# Allegro board 8880F5-0823_RXTX.brd

Outline 581.66 x 429.26 mm; copper layers: TOP, L02_DGND, L03_SIGNAL, L04_DGND, L05_SIGNAL, L06_DGND, L07_SIGNAL, L08_DGND, L09_SIGNAL, L10_DGND, L11_POWER, L12_DGND, L13_POWER, L14_DGND, L15_POWER, L16_DGND, L17_5V, L18_CBIT, L19_DGND, L20_POWER, L21_DGND, L22_POWER, L23_DGND, L24_POWER, L25_DGND, L26_SIGNAL, L27_DGND, L28_SIGNAL, L29_DGND, L30_SIGNAL, L31_DGND, L32_SIGNAL, L33_DGND, BOTTOM. Coordinates in mm from the lower left corner of the outline.

## Placement (name value [footprint] x y rotation side)
BD29  BD120-3A-S8  [FB0805]  129.54 134.62 180 bottom
BD30  BD120-3A-S8  [FB0805]  129.54 146.05 180 bottom
BD31  BD120-3A-S8  [FB0805]  129.54 142.24 0 bottom
BD32  BD120-3A-S8  [FB0805]  513.08 238.76 180 bottom
BD33  BD120-3A-S8  [FB0805]  513.08 242.57 180 bottom
BD34  BD120-3A-S8  [FB0805]  453.64 145.54 0 bottom
BD35  BD120-3A-S8  [FB0805]  453.64 137.92 180 bottom
BD36  BD120-3A-S8  [FB0805]  129.54 138.43 180 bottom
BD37  BD120-3A-S8  [FB0805]  453.64 130.3 180 bottom
BD38  BD120-3A-S8  [FB0805]  513.08 242.57 180 bottom
BD39  BD120-3A-S8  [FB0805]  453.64 141.73 0 bottom
BD40  BD120-3A-S8  [FB0805]  453.64 134.11 180 bottom
BD41  BD120-3A-S8  [FB0805]  513.08 234.95 180 bottom
BD42  BD120-3A-S8  [FB0805]  513.08 231.14 180 bottom
BD43  BD120-3A-S8  [FB0805]  513.08 227.33 180 bottom
BD44  BD120-3A-S8  [FB0805]  129.54 149.86 180 bottom
BR902  330-1-S4  [R0402]  36.83 133.35 270 bottom
C3  0.1U-16-X-S4-MU  [C0402]  184.15 132.33 180 bottom
C4  0.1U-16-X-S4-MU  [C0402]  181.61 132.33 180 bottom
C5  22P-50-N-S4-AVX  [C0402]  221.21 277.48 90 bottom
C6  22P-50-N-S4-AVX  [C0402]  221.21 271.16 270 bottom
C7  0.1U-16-X-S4-MU  [C0402]  110.74 230.12 0 bottom
C8  0.1U-16-X-S4-MU  [C0402]  104.14 215.5 180 bottom
C9  0.1U-16-X-S4-MU  [C0402]  104.24 229.1 180 bottom
CA1  NC/10U-10-X6S-S6-MU  [C0603]  186.05 292.1 0 bottom
CA2  NC/47U-10-X5R-S8-TDK  [C0805]  186.16 294 0 bottom
CA3  NC/10U-10-X6S-S6-MU  [C0603]  174.62 292.1 180 bottom
CA4  NC/47U-10-X5R-S8-TDK  [C0805]  174.52 294 180 bottom
CA5  NC/10U-10-X6S-S6-MU  [C0603]  117.47 290.83 180 bottom
CA6  NC/47U-10-X5R-S8-TDK  [C0805]  117.37 292.74 180 bottom
CA7  NC/10U-10-X6S-S6-MU  [C0603]  169.54 292.1 0 bottom
CA8  NC/47U-10-X5R-S8-TDK  [C0805]  169.65 294 0 bottom
CA9  NC/10U-10-X6S-S6-MU  [C0603]  158.11 292.1 180 bottom
CA10  NC/47U-10-X5R-S8-TDK  [C0805]  158.01 294 180 bottom
CA11  NC/10U-10-X6S-S6-MU  [C0603]  186.05 275.59 0 bottom
CA12  NC/47U-10-X5R-S8-TDK  [C0805]  186.16 277.5 0 bottom
CA13  NC/47U-10-X5R-S8-TDK  [C0805]  202.16 294 0 bottom
CA14  NC/10U-10-X6S-S6-MU  [C0603]  202.06 292.1 0 bottom
CA15  NC/47U-10-X5R-S8-TDK  [C0805]  190.53 294 180 bottom
CA16  NC/10U-10-X6S-S6-MU  [C0603]  190.63 292.1 180 bottom
CA17  NC/47U-10-X5R-S8-TDK  [C0805]  169.65 277.5 0 bottom
CA18  NC/10U-10-X6S-S6-MU  [C0603]  169.54 275.59 0 bottom
CA19  NC/47U-10-X5R-S8-TDK  [C0805]  100.34 249.52 180 bottom
CA20  NC/10U-10-X6S-S6-MU  [C0603]  100.44 247.61 180 bottom
CA21  10U-10-X6S-S6-MU  [C0603]  186.05 289.56 0 bottom
CA22  10U-10-X6S-S6-MU  [C0603]  174.62 289.56 180 bottom
CA23  10U-10-X6S-S6-MU  [C0603]  117.47 288.29 180 bottom
CA24  10U-10-X6S-S6-MU  [C0603]  169.54 289.56 0 bottom
CA25  10U-10-X6S-S6-MU  [C0603]  158.11 289.56 180 bottom
CA26  10U-10-X6S-S6-MU  [C0603]  186.05 273.05 0 bottom
CA27  10U-10-X6S-S6-MU  [C0603]  202.06 289.56 0 bottom
CA28  10U-10-X6S-S6-MU  [C0603]  190.63 289.56 180 bottom
CA29  10U-10-X6S-S6-MU  [C0603]  169.54 273.05 0 bottom
CA30  NC/47U-10-X5R-S8-TDK  [C0805]  95.47 249.57 180 bottom
CA31  10U-10-X6S-S6-MU  [C0603]  95.57 247.66 180 bottom
CA32  NC/10U-10-X6S-S6-MU  [C0603]  202.06 275.59 0 bottom
CA33  NC/47U-10-X5R-S8-TDK  [C0805]  202.16 277.5 0 bottom
CA34  10U-10-X6S-S6-MU  [C0603]  202.06 273.05 0 bottom
CA35  NC/10U-10-X6S-S6-MU  [C0603]  174.62 275.59 180 bottom
CA36  NC/47U-10-X5R-S8-TDK  [C0805]  174.52 277.5 180 bottom
CA37  10U-10-X6S-S6-MU  [C0603]  174.62 273.05 180 bottom
CA38  NC/10U-10-X6S-S6-MU  [C0603]  158.11 275.59 180 bottom
CA39  NC/47U-10-X5R-S8-TDK  [C0805]  158.01 277.5 180 bottom
CA40  10U-10-X6S-S6-MU  [C0603]  158.11 273.05 180 bottom
CB1  0.1U-25-X-S6  [C0603]  116.84 130.81 0 bottom
CB2  10U-16-T-SA  [CODE_A]  116.84 128.27 0 bottom
CB3  0.1U-25-X-S6  [C0603]  472.44 130.81 0 bottom
CB4  10U-16-T-SA  [CODE_A]  472.44 128.27 0 bottom
CB5  0.1U-25-X-S6  [C0603]  556.51 300.99 0 bottom
CB6  10U-16-T-SA  [CODE_A]  556.51 298.45 0 bottom
CB7  0.1U-25-X-S6  [C0603]  223.52 298.45 0 bottom
CB8  10U-16-T-SA  [CODE_A]  223.52 295.91 0 bottom
CB9  0.1U-25-X-S6  [C0603]  23.01 130.71 0 bottom
CB10  10U-25-X7R-SA  [C1206]  22.86 128.27 0 bottom
CB11  0.1U-25-X-S6  [C0603]  484.02 130.71 0 bottom
CB12  10U-25-X7R-SA  [C1206]  483.87 128.27 0 bottom
CB13  0.1U-25-X-S6  [C0603]  547.52 300.89 0 bottom
CB14  10U-25-X7R-SA  [C1206]  547.37 298.45 0 bottom
CB15  0.1U-25-X-S6  [C0603]  12.45 262.13 0 bottom
CB16  10U-25-X7R-SA  [C1206]  12.3 259.69 0 bottom
CB19  0.1U-25-X7R-S4-MU  [C0402]  215.9 17.78 180 bottom
CC1  0.47U-10-X6S-S2-TY  [C0201]  237.98 224.12 90 bottom
CC2  4.7U-10-X6T-S4-MU  [C0402]  236.32 222.4 270 bottom
CC4  0.47U-10-X6S-S2-TY  [C0201]  229.81 247.93 0 bottom
CC6  0.47U-10-X6S-S2-TY  [C0201]  250.17 224.12 90 bottom
CC7  0.47U-10-X6S-S2-TY  [C0201]  229.81 246.66 0 bottom
CC8  0.47U-10-X6S-S2-TY  [C0201]  263.63 224.12 90 bottom
CC9  0.47U-10-X6S-S2-TY  [C0201]  254.61 266.16 270 bottom
CC11  0.47U-10-X6S-S2-TY  [C0201]  251.06 224.12 90 bottom
CC13  0.47U-10-X6S-S2-TY  [C0201]  256.77 224.12 90 bottom
CC15  4.7U-2.5-X6S-S2-MU  [C0201]  259.65 264.95 90 bottom
CC16  NC/4.7U-2.5-X6S-S2-MU  [C0201]  271.64 249.5 0 bottom
CC17  4.7U-2.5-X6S-S2-MU  [C0201]  229.81 253.69 0 bottom
CC19  0.47U-10-X6S-S2-TY  [C0201]  252.83 266.16 270 bottom
CC20  4.7U-10-X6T-S4-MU  [C0402]  254.11 267.66 0 bottom
CC22  0.47U-10-X6S-S2-TY  [C0201]  251.05 266.16 270 bottom
CC23  4.7U-10-X6T-S4-MU  [C0402]  250.34 253.09 270 bottom
CC25  0.47U-10-X6S-S2-TY  [C0201]  272.85 245.18 180 bottom
CC26  0.47U-10-X6S-S2-TY  [C0201]  253.72 266.16 270 bottom
CC27  0.47U-10-X6S-S2-TY  [C0201]  272.85 249.5 180 bottom
CC28  0.47U-10-X6S-S2-TY  [C0201]  259.65 266.16 270 bottom
CC29  0.47U-10-X6S-S2-TY  [C0201]  231.03 253.69 180 bottom
CC30  0.47U-10-X6S-S2-TY  [C0201]  229.81 243.41 0 bottom
CC31  0.47U-10-X6S-S2-TY  [C0201]  249.28 224.12 90 bottom
CC32  0.47U-10-X6S-S2-TY  [C0201]  262.36 224.12 90 bottom
CC33  0.47U-10-X6S-S2-TY  [C0201]  272.85 243.91 180 bottom
CC34  0.47U-10-X6S-S2-TY  [C0201]  251.94 266.16 270 bottom
CC35  0.47U-10-X6S-S2-TY  [C0201]  272.85 241.37 180 bottom
CC36  0.47U-10-X6S-S2-TY  [C0201]  272.85 242.64 180 bottom
CC37  0.47U-10-X6S-S2-TY  [C0201]  247.57 264.95 90 bottom
CC38  NC/4.7U-2.5-X6S-S2-MU  [C0201]  247.57 266.16 270 bottom
CC39  0.47U-10-X6S-S2-TY  [C0201]  231.03 249.2 180 bottom
CC40  4.7U-2.5-X6S-S2-MU  [C0201]  258.5 246.67 180 bottom
CC41  4.7U-2.5-X6S-S2-MU  [C0201]  229.81 249.2 0 bottom
CC42  4.7U-2.5-X6S-S2-MU  [C0201]  251.54 253.03 90 bottom
CD1  0.1U-10-X7R-S2-MU  [C0201]  237.98 225.34 270 top
CD3  0.1U-10-X7R-S2-MU  [C0201]  271.64 241.37 0 top
CD4  0.1U-10-X7R-S2-MU  [C0201]  254.61 264.95 90 top
CD5  0.1U-10-X7R-S2-MU  [C0201]  263.63 225.34 270 top
CD6  0.1U-10-X7R-S2-MU  [C0201]  231.03 246.66 180 top
CD7  0.1U-10-X7R-S2-MU  [C0201]  271.64 242.64 0 top
CD8  0.1U-10-X7R-S2-MU  [C0201]  251.06 225.34 270 top
CD9  0.1U-10-X7R-S2-MU  [C0201]  256.77 225.34 270 top
CD10  0.1U-10-X7R-S2-MU  [C0201]  271.64 249.5 0 top
CD11  0.1U-10-X7R-S2-MU  [C0201]  259.65 264.95 90 top
CD12  0.1U-10-X7R-S2-MU  [C0201]  231.03 253.69 180 top
CD13  0.1U-10-X7R-S2-MU  [C0201]  252.83 264.95 90 top
CD14  0.1U-10-X7R-S2-MU  [C0201]  251.05 264.95 90 top
CD15  0.1U-10-X7R-S2-MU  [C0201]  271.64 245.18 0 top
CD16  0.1U-10-X7R-S2-MU  [C0201]  253.72 264.95 90 top
CD17  0.1U-10-X7R-S2-MU  [C0201]  231.03 247.93 180 top
CD18  0.1U-10-X7R-S2-MU  [C0201]  251.94 264.95 90 top
CD19  0.1U-10-X7R-S2-MU  [C0201]  231.03 243.41 180 top
CD20  0.1U-10-X7R-S2-MU  [C0201]  271.64 243.91 0 top
CD21  0.1U-10-X7R-S2-MU  [C0201]  262.36 225.34 270 top
CD22  0.1U-10-X7R-S2-MU  [C0201]  249.28 225.34 270 top
CD23  0.1U-10-X7R-S2-MU  [C0201]  250.17 225.34 270 top
CD24  0.1U-10-X7R-S2-MU  [C0201]  247.57 264.95 90 top
CD25  0.1U-10-X7R-S2-MU  [C0201]  231.03 249.2 180 top
CSDPS225  V93K_CSDPS_DPS32  [PG_VG93K_PF_DPS32_G8D225]  254 331.47 0 top
CSDPS229  V93K_CSDPS_DPS32  [PG_VG93K_PF_DPS32_G8D229]  180.34 331.47 0 top
CSDPS425  V93K_CSDPS_DPS32  [PG_VG93K_PF_DPS32_G8D425]  254 341.63 0 top
CSDPS429  V93K_CSDPS_DPS32  [PG_VG93K_PF_DPS32_G8D429]  180.34 341.63 0 top
D101/D501  V93K_PS1600 HD  [PG_VG93K_F_HSM_G1D101_501_ND]  327.66 97.79 0 top
D102  V93K_CH  [PG_VG93K_F_G1D102]  327.66 77.47 0 top
D103  V93K_CH  [PG_VG93K_F_G1D103]  327.66 57.15 0 top
D104  V93K_CH  [PG_VG93K_F_G1D104]  327.66 36.83 0 top
D105/D505  V93K_PS1600 HD  [PG_VG93K_F_HSM_G1D105_505_ND]  401.32 97.79 0 top
D106  V93K_CH  [PG_VG93K_F_G1D106]  401.32 77.47 0 top
D107  V93K_CH  [PG_VG93K_F_G1D107]  401.32 57.15 0 top
D108  V93K_CH  [PG_VG93K_F_G1D108]  401.32 36.83 0 top
D109  V93K_CH  [PG_VG93K_F_G2D109]  401.32 331.47 0 top
D110  V93K_CH  [PG_VG93K_F_G2D110]  401.32 351.79 0 top
D111  V93K_CH  [PG_VG93K_F_G2D111]  401.32 372.11 0 top
D112  V93K_CH  [PG_VG93K_F_G2D112]  401.32 392.43 0 top
D113  V93K_CH  [PG_VG93K_F_G2D113]  327.66 331.47 0 top
D114  V93K_CH  [PG_VG93K_F_G2D114]  327.66 351.79 0 top
D115  V93K_CH  [PG_VG93K_F_G2D115]  327.66 372.11 0 top
D116  V93K_CH  [PG_VG93K_F_G2D116]  327.66 392.43 0 top
D117/D517  V93K_PS1600 HD  [PG_VG93K_F_HSM_G3D117_517_ND]  180.34 97.79 0 top
D118  V93K_CH  [PG_VG93K_F_G3D118]  180.34 77.47 0 top
D119  V93K_CH  [PG_VG93K_F_G3D119]  180.34 57.15 0 top
D120  V93K_CH  [PG_VG93K_F_G3D120]  180.34 36.83 0 top
D121/D521  V93K_PS1600 HD  [PG_VG93K_F_HSM_G3D121_521_ND]  254 97.79 0 top
D122  V93K_CH  [PG_VG93K_F_G3D122]  254 77.47 0 top
D123  V93K_CH  [PG_VG93K_F_G3D123]  254 57.15 0 top
D124  V93K_CH  [PG_VG93K_F_G3D124]  254 36.83 0 top
D125  V93K_CH  [PG_VG93K_F_G4D125]  33.02 97.79 0 top
D126  V93K_CH  [PG_VG93K_F_G4D126]  33.02 77.47 0 top
D127  V93K_CH  [PG_VG93K_F_G4D127]  33.02 57.15 0 top
D128  V93K_CH  [PG_VG93K_F_G4D128]  33.02 36.83 0 top
D129  V93K_CH  [PG_VG93K_F_G4D129]  106.68 97.79 0 top
D130  V93K_CH  [PG_VG93K_F_G4D130]  106.68 77.47 0 top
D131  V93K_CH  [PG_VG93K_F_G4D131]  106.68 57.15 0 top
D132  V93K_CH  [PG_VG93K_F_G4D132]  106.68 36.83 0 top
D231  V93K_CH  [PG_VG93K_F_G8D231]  180.34 372.11 0 top
D301  V93K_CH  [PG_VG93K_F_G1D301]  327.66 87.63 0 top
D302  V93K_CH  [PG_VG93K_F_G1D302]  327.66 67.31 0 top
D305  V93K_CH  [PG_VG93K_F_G1D305]  401.32 87.63 0 top
D306  V93K_CH  [PG_VG93K_F_G1D306]  401.32 67.31 0 top
D309  V93K_PSSL  [PG_VG93K_F_PSSL_G2D309_ND]  401.32 341.63 0 top
D313  V93K_PSSL  [PG_VG93K_F_PSSL_G2D313_ND]  327.66 341.63 0 top
D317  V93K_CH  [PG_VG93K_F_G3D317]  180.34 87.63 0 top
D318  V93K_CH  [PG_VG93K_F_G3D318]  180.34 67.31 0 top
D321  V93K_CH  [PG_VG93K_F_G3D321]  254 87.63 0 top
D322  V93K_CH  [PG_VG93K_F_G3D322]  254 67.31 0 top
D431  V93K_CH  [PG_VG93K_F_G8D431]  180.34 382.27 0 top
DPS1  V93K_DPS  [PG_VG93K_F_G1DPS1]  401.32 16.51 0 top
DPS2  V93K_DPS  [PG_VG93K_F_G2DPS2]  327.66 412.75 0 top
DPS3  V93K_DPS  [PG_VG93K_F_G3DPS3]  254 16.51 0 top
DPS8  V93K_DPS  [PG_VG93K_F_G8DPS8]  180.34 412.75 0 top
FD1  -  [FD_040_V2]  159.82 131.98 0 top
FD2  -  [FD_040_V2]  423.24 131.98 0 top
FD3  -  [FD_040_V2]  423.24 297.28 0 top
FD4  -  [FD_040_V2]  156.51 297.46 0 top
FD5  -  [FD_040_V2]  159.82 131.98 180 bottom
FD6  -  [FD_040_V2]  423.24 131.98 180 bottom
FD7  -  [FD_040_V2]  423.24 297.28 180 bottom
FD8  -  [FD_040_V2]  156.51 297.46 180 bottom
FD9  -  [FD_040_V2]  570.23 128.27 180 bottom
FD10  -  [FD_040_V2]  570.23 300.99 0 top
FD11  -  [FD_040_V2]  570.23 300.99 180 bottom
FD12  -  [FD_040_V2]  11.43 300.99 0 top
FD13  -  [FD_040_V2]  11.43 300.99 180 bottom
FD14  -  [FD_040_V2]  11.43 127 0 top
FD15  -  [FD_040_V2]  11.43 127 180 bottom
FD16  -  [FD_040_V2]  570.23 128.27 0 top
GND1  TP01  [TP_040_T]  173.57 294 0 top
GND2  TP01  [TP_040_T]  187.11 294 180 top
GND3  TP01  [TP_040_T]  116.42 292.74 0 top
GND4  TP01  [TP_040_T]  157.06 294 0 top
GND5  TP01  [TP_040_T]  170.6 294 180 top
GND6  TP01  [TP_040_T]  173.57 277.5 0 top
GND7  TP01  [TP_040_T]  203.11 294 180 top
GND8  TP01  [TP_040_T]  189.58 294 0 top
GND9  TP01  [TP_040_T]  170.6 277.5 180 top
GND10  TP01  [TP_040_T]  99.36 249.46 0 top
GND11  TP01  [TP_040_T]  94.49 249.52 0 top
GND12  TP01  [TP_040_T]  203.11 277.5 180 top
GND13  TP01  [TP_040_T]  187.11 277.5 180 top
GND14  TP01  [TP_040_T]  157.06 277.5 0 top
HX8880-F05  REF-CODE-CHIP  [CHIP_CODE]  559.05 279.65 0 top
J1  HDR-2X1-M  [JP_2P_100]  110.24 232.41 270 bottom
J2  HDR-3X1-M  [JP_3P_100]  88.76 205.43 90 bottom
J3  HDR-3X1-M  [JP_3P_100]  88.76 219.15 90 bottom
J4  HDR-2X1-M  [JP_2P_100]  96.27 231.39 90 bottom
J5  HDR-2X1-M  [JP_2P_100]  96.27 243.08 90 bottom
JG_220919AA01  REF-CODE-SOCKET  [SOCKET_CODE]  559.05 284.73 0 top
JG_220919AA02  REF-CODE-SOCKET  [SOCKET_CODE]  559.05 287.27 0 top
K1  G6K-2F-RF-T-5V-SPECIAL  [RL_G6K2FRT_8P_5V_GR]  171.7 219.2 270 bottom
K2  G6K-2F-RF-T-5V-SPECIAL  [RL_G6K2FRT_8P_5V_GR]  205.23 232.92 270 bottom
K3  G6K-2F-RF-T-5V-SPECIAL  [RL_G6K2FRT_8P_5V_GR]  294.39 292.86 0 bottom
K4  G6K-2F-RF-T-5V-SPECIAL  [RL_G6K2FRT_8P_5V_GR]  307.59 292.86 0 bottom
K5  G6K-2F-RF-T-5V-SPECIAL  [RL_G6K2FRT_8P_5V_GR]  347.73 292.86 0 bottom
K6  G6K-2F-RF-T-5V-SPECIAL  [RL_G6K2FRT_8P_5V_GR]  334.26 292.86 0 bottom
K7  G6K-2F-RF-T-5V-SPECIAL  [RL_G6K2FRT_8P_5V_GR]  320.8 292.86 0 bottom
K8  G6K-2F-RF-T-5V-SPECIAL  [RL_G6K2FRT_8P_5V_GR]  267.46 292.86 0 bottom
K9  UA2-5NJ-A-V3  [RL_NECUA2_5V_V3]  219.96 235.46 90 bottom
K10  UA2-5NJ-A-V3  [RL_NECUA2_5V_V3]  111.76 237.24 0 bottom
K11  G6K-2F-RF-T-5V-SPECIAL  [RL_G6K2FRT_8P_5V_GR]  289.56 276.1 180 bottom
K12  UA2-5NJ-A-V3  [RL_NECUA2_5V_V3]  219.96 246.89 90 bottom
K13  UA2-5NJ-A-V3  [RL_NECUA2_5V_V3]  123.7 229.62 180 bottom
K14  UA2-5NJ-A-V3  [RL_NECUA2_5V_V3]  112.01 220.73 180 bottom
K15  UA2-5NJ-A-V3  [RL_NECUA2_5V_V3]  123.99 213.19 180 bottom
K16  G6K-2F-RF-T-5V-SPECIAL  [RL_G6K2FRT_8P_5V_GR]  241.05 292.61 180 bottom
K17  G6K-2F-RF-T-5V-SPECIAL  [RL_G6K2FRT_8P_5V_GR]  254.25 292.86 0 bottom
K18  UB2-5NU-B  [RL_NECUB2_5V]  228.45 274.32 0 bottom
K19  UA2-5NJ-A-V3  [RL_NECUA2_5V_V3]  112.01 213.11 180 bottom
K20  UA2-5NJ-A-V3  [RL_NECUA2_5V_V3]  123.95 220.73 180 bottom
K21  G6K-2F-RF-T-5V-SPECIAL  [RL_G6K2FRT_8P_5V_GR]  280.92 292.86 0 bottom
K22  G6K-2F-RF-T-5V-SPECIAL  [RL_G6K2FRT_8P_5V_GR]  205.23 246.63 270 bottom
K23  G6K-2F-RF-T-5V-SPECIAL  [RL_G6K2FRT_8P_5V_GR]  188.47 232.92 270 bottom
K24  G6K-2F-RF-T-5V-SPECIAL  [RL_G6K2FRT_8P_5V_GR]  171.7 232.92 270 bottom
K25  G6K-2F-RF-T-5V-SPECIAL  [RL_G6K2FRT_8P_5V_GR]  204.98 260.35 270 bottom
K26  G6K-2F-RF-T-5V-SPECIAL  [RL_G6K2FRT_8P_5V_GR]  188.47 246.63 270 bottom
K27  G6K-2F-RF-T-5V-SPECIAL  [RL_G6K2FRT_8P_5V_GR]  171.7 246.63 270 bottom
K28  UA2-5NJ-A-V3  [RL_NECUA2_5V_V3]  100.33 237.24 0 bottom
K29  G6K-2F-RF-T-5V-SPECIAL  [RL_G6K2FRT_8P_5V_GR]  171.7 260.35 270 bottom
K30  G6K-2F-RF-T-5V-SPECIAL  [RL_G6K2FRT_8P_5V_GR]  188.47 260.35 270 bottom
K31  EC2-5NJ-A  [RL_NECEC2_10P_5V]  196.34 276.86 90 bottom
K33  NC/UA2-5NJ-A-V3  [RL_NECUA2_5V_V3]  123.7 237.24 180 bottom
K34  EC2-5NJ-A  [RL_NECEC2_10P_5V]  180.34 293.37 90 bottom
K36  EC2-5NJ-A  [RL_NECEC2_10P_5V]  123.19 292.1 90 bottom
K37  EC2-5NJ-A  [RL_NECEC2_10P_5V]  163.83 293.37 90 bottom
K39  EC2-5NJ-A  [RL_NECEC2_10P_5V]  180.34 276.86 90 bottom
K40  EC2-5NJ-A  [RL_NECEC2_10P_5V]  196.34 293.37 90 bottom
K42  EC2-5NJ-A  [RL_NECEC2_10P_5V]  163.83 276.86 90 bottom
K43  G6K-2F-RF-T-5V-SPECIAL  [RL_G6K2FRT_8P_5V_GR]  269.49 276.1 180 bottom
LD902  LDG-2-S8  [LED_0805]  36.83 130.81 90 top
LOGO1  -  [LOGO_KT_KSMT]  538.48 154.94 0 top
LOGO2  LOGO_HX_Himax  [LOGO_HX_HIMAX]  518.16 138.43 0 top
LQFP176-20X20-P0.4  REF-CODE-CHIP  [CHIP_CODE]  559.05 282.19 0 top
NOREF  -  []  259.65 205.86 90 top
NOREF#2  -  []  334.61 204.65 90 top
NOREF#3  -  []  119.95 187.53 0 top
NOREF#4  -  []  327.89 204.35 90 top
NOREF#5  -  []  459.28 236.14 90 top
NOREF#6  -  []  313.22 288.41 90 top
NOREF#7  -  []  201.23 200.54 0 top
NOREF#8  -  []  218.13 274.06 0 top
NOREF#9  -  []  192.47 250.38 90 top
NOREF#10  -  []  250.73 205.56 90 top
NOREF#11  -  []  167.7 214 0 top
NOREF#12  -  []  461.86 230.75 0 top
NOREF#13  -  []  168.13 199.99 90 top
NOREF#14  -  []  118.96 174.04 90 top
NOREF#15  -  []  221.56 250.49 0 top
NOREF#16  -  []  223.56 173.86 90 top
NOREF#17  -  []  250.74 164.74 0 top
NOREF#18  -  []  450.03 210.36 0 top
NOREF#19  -  []  199.59 145.03 90 top
NOREF#20  -  []  384.36 131.89 0 top
NOREF#21  -  []  384.08 209.16 90 top
NOREF#22  -  []  410.78 131.89 0 top
NOREF#23  -  []  238.3 288.61 0 top
NOREF#24  -  []  463.61 179.15 0 top
NOREF#25  -  []  303.56 173.86 90 top
NOREF#26  -  []  217.83 174.63 90 top
NOREF#27  -  []  396.55 241.11 0 top
NOREF#28  -  []  201.23 247.18 90 top
NOREF#29  -  []  165.8 212.85 90 top
NOREF#30  -  []  384.17 163.39 90 top
NOREF#31  -  []  273.59 272.15 90 top
NOREF#32  -  []  177.33 201.29 90 top
NOREF#33  -  []  274.37 147.93 90 top
NOREF#34  -  []  167.7 173.11 90 top
NOREF#35  -  []  101.82 271.33 90 top
NOREF#36  -  []  334.29 264.35 90 top
NOREF#37  -  []  209.23 218.65 90 top
NOREF#38  -  []  175.7 236.67 90 top
NOREF#39  -  []  250.74 164.72 0 top
NOREF#40  -  []  373.87 171.39 0 top
NOREF#41  -  []  408.92 265.37 0 top
NOREF#42  -  []  332.51 265.56 90 top
NOREF#43  -  []  322.62 139.64 0 top
NOREF#44  -  []  259.33 205.56 90 top
NOREF#45  -  []  192.57 160.9 90 top
NOREF#46  -  []  481.96 276.41 90 top
NOREF#47  -  []  167.7 255.15 90 top
NOREF#48  -  []  230.43 243.09 0 top
NOREF#49  -  []  184.47 151.68 90 top
NOREF#50  -  []  400.79 154.88 0 top
NOREF#51  -  []  352.24 189.18 90 top
NOREF#52  -  []  294.94 296.86 0 top
NOREF#53  -  []  379.52 188.15 0 top
NOREF#54  -  []  336.77 225.04 90 top
NOREF#55  -  []  351.34 185.18 0 top
NOREF#56  -  []  215.96 237.06 0 top
NOREF#57  -  []  419.9 272.82 90 top
NOREF#58  -  []  327.57 264.65 90 top
NOREF#59  -  []  309.51 189.2 0 top
NOREF#60  -  []  184.47 190.12 90 top
NOREF#61  -  []  383.09 224.85 0 top
NOREF#62  -  []  259.65 265.86 90 top
NOREF#63  -  []  267.84 280.1 0 top
NOREF#64  -  []  175.8 215.25 90 top
NOREF#65  -  []  332.83 264.65 90 top
NOREF#66  -  []  419.64 256.82 90 top
NOREF#67  -  []  392.73 154.88 0 top
NOREF#68  -  []  264.54 143.19 0 top
NOREF#69  -  []  184.47 200.54 90 top
NOREF#70  -  []  106.76 222.88 0 top
NOREF#71  -  []  330.74 164.72 0 top
NOREF#72  -  []  269.94 135.19 0 top
NOREF#73  -  []  456.08 239.34 0 top
NOREF#74  -  []  383.83 194.68 90 top
NOREF#75  -  []  209.33 187.82 90 top
NOREF#76  -  []  266.74 143.19 0 top
NOREF#77  -  []  459.28 183.57 90 top
NOREF#78  -  []  383.07 180.2 90 top
NOREF#79  -  []  217.83 234.63 90 top
NOREF#80  -  []  376.15 192.88 90 top
NOREF#81  -  []  331.22 253.63 0 top
NOREF#82  -  []  200.98 260.9 90 top
NOREF#83  -  []  184.47 173.11 0 top
NOREF#84  -  []  369.63 289.12 0 top
NOREF#85  -  []  119.95 195.15 0 top
NOREF#86  -  []  285.71 280.1 0 top
NOREF#87  -  []  378.58 273.11 90 top
NOREF#88  -  []  259.33 205.55 0 top
NOREF#89  -  []  250.73 204.35 90 top
NOREF#90  -  []  201.23 229.07 90 top
NOREF#91  -  []  238.3 164.74 90 top
NOREF#92  -  []  459.24 219.3 0 top
NOREF#93  -  []  230.41 253.37 90 top
NOREF#94  -  []  118.74 215.34 0 top
NOREF#95  -  []  396.55 225.11 0 top
NOREF#96  -  []  118.45 231.77 0 top
NOREF#97  -  []  399.99 164.91 90 top
NOREF#98  -  []  270.04 280.1 0 top
NOREF#99  -  []  167.7 176.66 90 top
NOREF#100  -  []  201.23 215.35 90 top
NOREF#101  -  []  106.76 210.11 90 top
NOREF#102  -  []  194.09 255.9 90 top
NOREF#103  -  []  249.85 164.74 0 top
NOREF#104  -  []  225.83 204.31 0 top
NOREF#105  -  []  250.49 224.74 90 top
NOREF#106  -  []  118.99 171.65 0 top
NOREF#107  -  []  403.41 209.61 0 top
NOREF#108  -  []  400.24 202.38 90 top
NOREF#109  -  []  230.73 253.69 0 top
NOREF#110  -  []  399.8 207.46 90 top
NOREF#111  -  []  199.59 158.5 0 top
NOREF#112  -  []  396.03 180.15 0 top
NOREF#113  -  []  107.02 179.19 0 top
NOREF#114  -  []  465.31 230.2 0 top
NOREF#115  -  []  261.82 290.13 90 top
NOREF#116  -  []  312.25 271.67 90 top
NOREF#117  -  []  381.74 249.11 0 top
NOREF#118  -  []  201.21 292.55 90 top
NOREF#119  -  []  342.68 224.74 90 top
NOREF#120  -  []  328.96 224.74 0 top
NOREF#121  -  []  483.17 130.26 90 top
NOREF#122  -  []  330.73 265.55 0 top
NOREF#123  -  []  112.41 214.71 0 top
NOREF#124  -  []  265.81 288.86 0 top
NOREF#125  -  []  262.36 223.82 90 top
NOREF#126  -  []  409.74 163.69 90 top
NOREF#127  -  []  381.2 290.39 90 top
NOREF#128  -  []  127.95 222.33 0 top
NOREF#129  -  []  301.56 250.49 0 top
NOREF#130  -  []  387.39 249.11 0 top
NOREF#131  -  []  475.04 239.09 0 top
NOREF#132  -  []  172.08 289.11 90 top
NOREF#133  -  []  354.08 286.96 90 top
NOREF#134  -  []  182.57 144.78 90 top
NOREF#135  -  []  351.04 181.69 0 top
NOREF#136  -  []  318.3 224.74 90 top
NOREF#137  -  []  459.28 227 90 top
NOREF#138  -  []  259.84 133.29 90 top
NOREF#139  -  []  413.1 144.98 0 top
NOREF#140  -  []  309.05 271.67 0 top
NOREF#141  -  []  412.62 281.37 0 top
NOREF#142  -  []  127.81 175.44 90 top
NOREF#143  -  []  251.54 192.73 90 top
NOREF#144  -  []  251.05 204.65 90 top
NOREF#145  -  []  410.78 131.89 0 top
NOREF#146  -  []  412.36 209.61 90 top
NOREF#147  -  []  262.36 163.82 90 top
NOREF#148  -  []  199.33 185.42 90 top
NOREF#149  -  []  115.19 128.27 0 top
NOREF#150  -  []  167.7 233.47 90 top
NOREF#151  -  []  208.98 264.1 90 top
NOREF#152  -  []  310.43 243.09 90 top
NOREF#153  -  []  167.7 174.46 90 top
NOREF#154  -  []  119.7 231.22 0 top
NOREF#155  -  []  231.15 159.63 90 top
NOREF#156  -  []  249.28 163.82 90 top
NOREF#157  -  []  192.47 162.1 90 top
NOREF#158  -  []  297.83 174.63 90 top
NOREF#159  -  []  218.13 214.06 0 top
NOREF#160  -  []  124.39 214.79 0 top
NOREF#161  -  []  332.61 296.86 0 top
NOREF#162  -  []  201.21 290.01 90 top
NOREF#163  -  []  376.98 224.6 0 top
NOREF#164  -  []  320.42 139.64 0 top
NOREF#165  -  []  391.96 131.89 0 top
NOREF#166  -  []  406.44 154.88 0 top
NOREF#167  -  []  167.7 227.72 90 top
NOREF#168  -  []  250.73 205.55 0 top
NOREF#169  -  []  339.65 205.86 90 top
NOREF#170  -  []  230.73 243.41 0 top
NOREF#171  -  []  375.22 163.39 0 top
NOREF#172  -  []  301.56 242.89 0 top
NOREF#173  -  []  301.56 182.89 0 top
NOREF#174  -  []  310.43 248.88 90 top
NOREF#175  -  []  277.17 288.86 0 top
NOREF#176  -  []  247.25 205.56 90 top
NOREF#177  -  []  223.15 271.32 90 top
NOREF#178  -  []  310.41 246.34 90 top
NOREF#179  -  []  167.7 138.47 90 top
NOREF#180  -  []  463.61 222.58 0 top
NOREF#181  -  []  337.9 186.35 90 top
NOREF#182  -  []  304.61 144.34 0 top
NOREF#183  -  []  192.47 182.06 90 top
NOREF#184  -  []  342.68 163.52 90 top
NOREF#185  -  []  327.25 265.55 0 top
NOREF#186  -  []  201.23 231.27 90 top
NOREF#187  -  []  287.91 280.1 0 top
NOREF#188  -  []  312.79 288.86 90 top
NOREF#189  -  []  379.73 287.22 90 top
NOREF#190  -  []  373.93 297.12 0 top
NOREF#191  -  []  376.98 257.11 0 top
NOREF#192  -  []  310.83 164.63 0 top
NOREF#193  -  []  392.24 199.18 90 top
NOREF#194  -  []  215.96 188.49 0 top
NOREF#195  -  []  330.73 264.35 90 top
NOREF#196  -  []  259.65 264.65 90 top
NOREF#197  -  []  270.04 280.1 0 top
NOREF#198  -  []  461.96 166.93 0 top
NOREF#199  -  []  279.27 296.86 0 top
NOREF#200  -  []  385.32 178.25 90 top
NOREF#201  -  []  175.7 259.8 90 top
NOREF#202  -  []  327.57 204.65 90 top
NOREF#203  -  []  116.27 178.64 0 top
NOREF#204  -  []  232.25 211.67 90 top
NOREF#205  -  []  461.96 210.36 0 top
NOREF#206  -  []  387.8 210.63 90 top
NOREF#207  -  []  396.55 241.11 0 top
NOREF#208  -  []  319.15 296.86 0 top
NOREF#209  -  []  167.7 200.54 0 top
NOREF#210  -  []  209.49 162.1 90 top
NOREF#211  -  []  310.43 193.37 90 top
NOREF#212  -  []  420.62 287.22 90 top
NOREF#213  -  []  339.33 205.56 90 top
NOREF#214  -  []  188.08 289.11 90 top
NOREF#215  -  []  297.41 213.24 90 top
NOREF#216  -  []  424.98 146.33 90 top
NOREF#217  -  []  396.55 225.11 0 top
NOREF#218  -  []  175.7 189.02 90 top
NOREF#219  -  []  344.37 128.27 90 top
NOREF#220  -  []  309.51 249.2 0 top
NOREF#221  -  []  366.88 255.21 0 top
NOREF#222  -  []  251.54 252.73 90 top
NOREF#223  -  []  175.7 164.3 90 top
NOREF#224  -  []  304.61 131.64 0 top
NOREF#225  -  []  263.63 223.82 90 top
NOREF#226  -  []  313.94 286.96 90 top
NOREF#227  -  []  404.24 146.88 0 top
NOREF#228  -  []  329.16 296.86 0 top
NOREF#229  -  []  518.38 276.41 90 top
NOREF#230  -  []  192.57 242.68 90 top
NOREF#231  -  []  210.86 228.47 90 top
NOREF#232  -  []  241.82 167.13 90 top
NOREF#233  -  []  199.33 240.28 90 top
NOREF#234  -  []  201.66 213.45 90 top
NOREF#235  -  []  261.63 233.83 90 top
NOREF#236  -  []  352.24 183.59 90 top